# KiCad board Final H00 panelicad_pcb.kicad_pcb (continued)
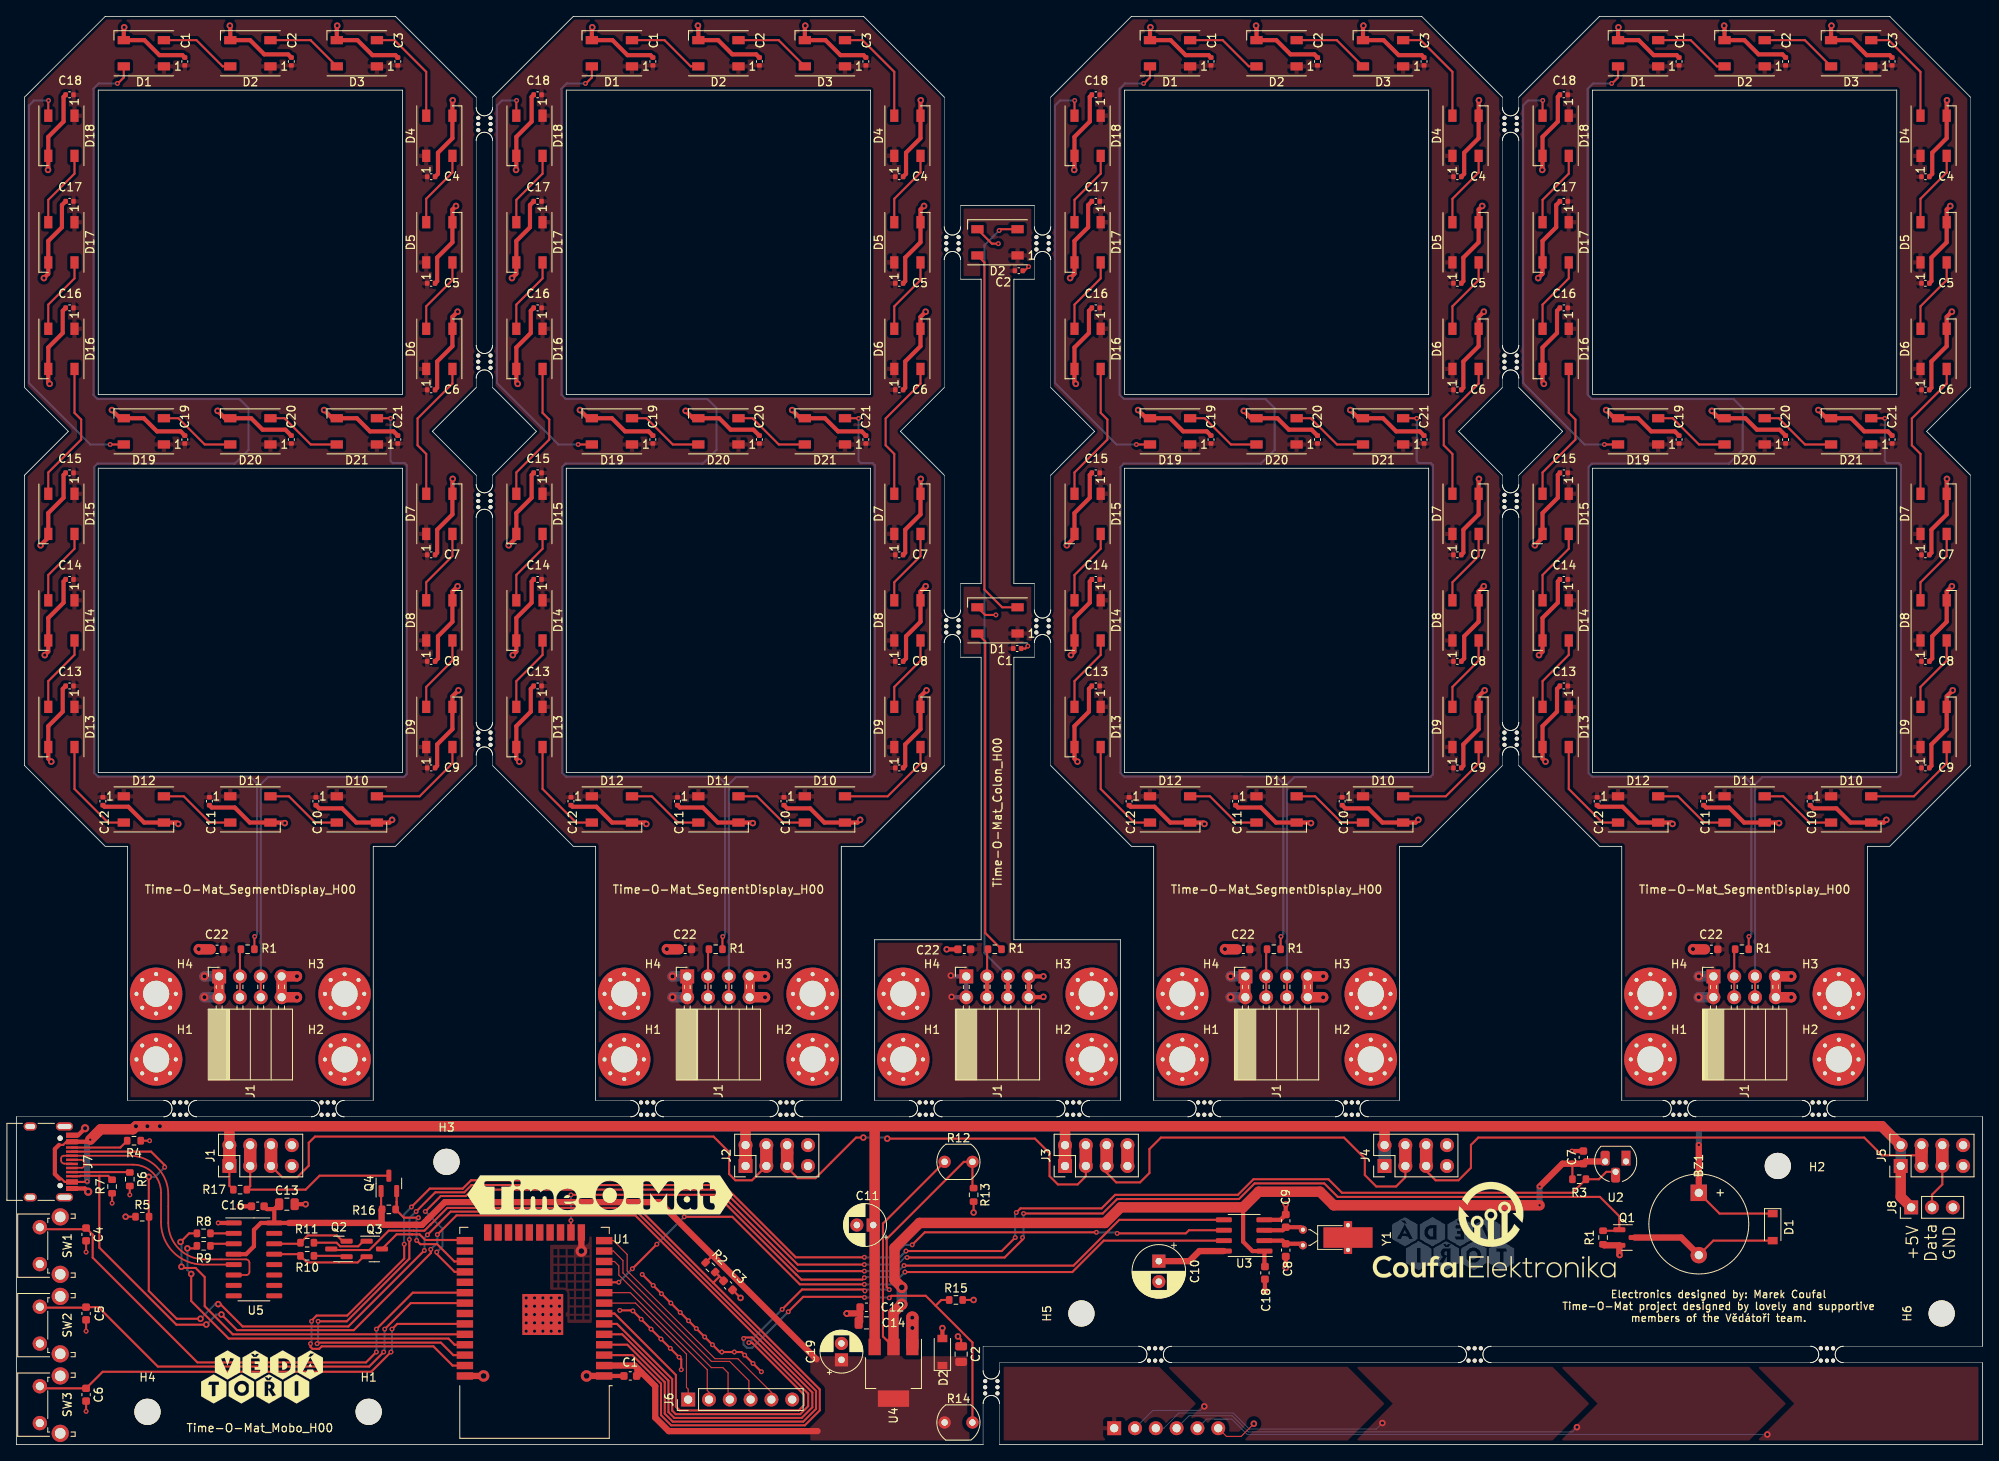
[diagram p0: board, top side]
## Routing (per net, layer and track width the routed paths; a pad name or vN(x,y) marks a point on that pad's centre or on a via; arc(x,y) is an arc through that point) (continued)
BUZZER: length 173.2
  Top w0.254: v2(103.5,21.17) 95.41,21.17 85.47,31.11 55.64,31.11 54.86,30.33 51.8,30.33 v2(49.91,28.44) ; v2(122.81,25.27) 122.81,25.01 120.63,22.83 v2(108.73,22.83) ; v2(122.94,28.2) 132.6,28.2 134.37,29.97 149.23,29.97 151.14,31.87 159.64,31.87 161.29,30.22 193.29,30.22 195.66,27.86 Q1.1 195.53,26.09 R1#3.1 ; U1.28 53.49,21.08 51.31,23.26 v2(51.31,23.49)
  Bottom w0.254: v2(122.81,25.27) 122.94,25.39 v2(122.94,28.2) ; v2(49.91,28.44) 52.01,26.35 52.01,24.19 v2(51.31,23.49) ; v2(103.5,21.17) 106.78,21.17 108.44,22.83 v2(108.73,22.83)
CC1: length 163.9
  Top w0.254: v3(16.16,32.67) 16.16,18.76 19.56,15.36 v3(22.47,15.36) ; v2(49.8,23.69) 40.53,14.42 27.61,14.42 24.89,17.14 v3(24.64,17.14) ; v2(50.17,25.59) 53.01,28.42 75.73,28.42 97.61,6.55 97.61,4.37 96.05,2.81 80.11,2.81 79.14,3.78 79.14,7.62 74.57,12.19 U1.4 ; v2(18.1,33.85) 18.1,34.09 16.44,35.75 J7.A5
  Bottom w0.254: v3(24.64,17.14) 24.26,17.14 v3(22.47,15.36) ; v2(49.8,23.69) 49.8,25.22 v2(50.17,25.59) ; v2(18.1,33.85) 16.92,32.67 v3(16.16,32.67)
CC2: length 155.9
  Top w0.254: v3(23.18,14.65) 23.16,14.63 19.53,14.63 10.12,24.03 10.12,32.8 ; R7.2 11.2,32.8 10.12,32.8 ; v2(50.58,23.83) 50.58,23.36 41.18,13.96 26.94,13.96 v3(25.02,15.88) ; 10.12,32.8 7.81,32.8 7.76,32.75 J7.B5 ; U1.5 73.94,13.46 79.59,7.81 79.59,3.97 80.3,3.26 95.86,3.26 97.16,4.55 97.16,6.36 75.54,27.97 53.73,27.97 v2(51.38,25.63)
  Bottom w0.254: v3(23.18,14.65) 24.41,15.88 v3(25.02,15.88) ; v2(51.38,25.63) 51.38,24.63 v2(50.58,23.83)
CE: length 91.6
  Top w0.254: v2(108.34,21.85) 108.35,21.84 129.03,21.84 134.62,27.43 147.38,27.43 ; v2(103.5,20.37) 103.27,20.13 95.82,20.13 95.2,20.75 95.19,20.75 85.46,30.48 v2(67.69,30.48) ; U1.16 v2(67.69,27.34)
  Bottom w0.254: v2(108.34,21.85) 106.94,20.44 103.58,20.44 v2(103.5,20.37) ; v2(67.69,27.34) v2(67.69,30.48)
IO: length 150.3
  Top w0.254: v2(36.03,15.05) 36.03,15.13 36.64,15.74 40.38,15.74 47.34,22.7 v2(47.34,24.46) ; 147.38,26.16 143.13,26.16 142.75,25.78 v2(134.37,25.78) ; U1.37 53.25,9.65 50.91,11.99 37.26,11.99 36.96,11.69 36.13,11.69 35.9,11.91 v2(35.9,12.31) ; v2(48.22,28.99) 50.46,31.24 54.48,31.24 55.5,32.25 85.72,32.25 95.12,22.86 v2(103.5,22.86) ; v2(131.83,25.9) 110.87,25.9 v2(109.35,24.38)
  Bottom w0.254: v2(109.35,24.38) 108.46,24.38 106.93,22.86 v2(103.5,22.86) ; v2(36.03,15.05) 36.03,12.44 v2(35.9,12.31) ; v2(47.34,24.46) 47.34,28.11 v2(48.22,28.99) ; v2(134.37,25.78) 134.24,25.9 v2(131.83,25.9)
LIGHT1: length 86.4
  Top w0.254: v2(103.57,18.76) 103.4,18.93 95.89,18.93 v2(93.47,16.5) ; v2(106.55,18.9) 106.23,19.22 106.23,25.09 115.64,34.5 R12.2 116.7,31.44 R13.1 ; v2(89.41,12.44) 89.79,12.44 96.14,6.09 96.14,4.82 95.49,4.17 80.98,4.17 80.5,4.65 80.5,8.5 73,16 U1.7
  Bottom w0.254: v2(103.57,18.76) 103.71,18.9 v2(106.55,18.9) ; v2(89.41,12.44) v2(93.47,16.5)
LIGHT2: length 90
  Top w0.254: v2(106.55,17.9) 106.8,18.16 111,18.16 112.2,16.95 ; R15.1 112.9,17.65 112.2,16.95 ; U1.6 73.31,14.73 80.05,7.99 80.05,4.15 80.49,3.71 95.67,3.71 96.65,4.69 96.65,6.22 89.8,13.07 88.89,13.07 v2(88.77,12.95) ; 112.2,16.95 116.7,12.45 R14.2 ; v2(103.52,17.96) 103.45,18.03 96.04,18.03 v2(94.21,16.21)
  Bottom w0.254: v2(94.21,16.21) 89.82,11.81 89.15,11.81 88.77,12.19 v2(88.77,12.95) ; v2(103.52,17.96) 106.49,17.96 v2(106.55,17.9)
SCLK: length 84.6
  Top w0.254: v2(81.52,27.8) 87.39,27.8 95.63,19.55 v2(103.51,19.55) ; U1.10 v2(73.53,19.81) ; v2(108.46,21.06) 128.89,21.06 132.72,24.89 147.38,24.89 ; v2(75.18,21.46) v2(78.18,24.45)
  Bottom w0.254: v2(73.53,19.81) v2(75.18,21.46) ; v2(78.18,24.45) v2(81.52,27.8) ; v2(103.51,19.55) 106.96,19.55 v2(108.46,21.06)
TEMPERATURE: length 201.4
  Top w0.254: v2(36.83,15.05) 40.32,15.05 47.96,22.69 v2(47.96,25.03) ; v2(103.5,21.97) 95.37,21.97 85.66,31.67 55.56,31.67 54.67,30.78 51.14,30.78 v2(48.79,28.44) ; U1.36 53.34,10.92 51.82,12.44 36.83,12.44 v2(36.7,12.31) ; v2(122.05,28.32) 122.56,28.82 132.46,28.82 134.11,30.48 149.1,30.48 151,32.38 160.15,32.38 161.8,30.73 189.93,30.73 191.58,32.38 193.17,32.38 194.07,33.28 195.2,33.28 ; v2(121.92,25.27) 120.27,23.62 v2(108.58,23.62)
  Bottom w0.254: v2(122.05,28.32) 121.92,28.19 v2(121.92,25.27) ; v2(48.79,28.44) 47.96,27.61 v2(47.96,25.03) ; v2(36.7,12.31) 36.83,12.44 v2(36.83,15.05) ; v2(108.58,23.62) 106.93,21.97 v2(103.5,21.97)
TOUCH5: length 102.6
  Top w0.127: U1.14 72.87,24.89 74.55,23.21 74.55,21.2 85.27,10.48 88.07,10.48 92.16,6.39 J6.5
  Bottom w0.127: 147.89,3.11 145.27,3.11 J1#7.5 ; v3(213.73,1.24) 150.23,1.24 148.35,3.11 146.24,3.11
TOUCH6: length 78
  Top w0.127: J6.4 89.62,6.39 89.41,6.6 89.41,7.8 87.05,10.16 84.84,10.16 74.04,20.95 74.04,22.45 72.87,23.62 U1.13
  Bottom w0.127: J1#7.4 143.14,3.52 148.4,3.52 150.36,1.56 189.92,1.56 v3(190.49,2.13)
TOUCH7: length 54.3
  Top w0.127: U1.12 73,22.35 73.53,21.81 73.53,20.7 84.84,9.39 86.23,9.39 86.87,8.76 86.87,5.71 J6.3
  Bottom w0.127: J1#7.3 140.05,2 141.9,3.85 148.54,3.85 150.5,1.89 165.99,1.89 v3(166.74,2.63)
TOUCH8: length 29.8
  Top w0.127: J6.2 84.54,6.39 84.33,6.6 84.33,9.14 74.93,18.54 71.75,18.54
  Bottom w0.127: J1#7.2 138.72,4.18 144.51,4.18 v3(145,4.67)
TOUCH9: length 18.3
  Top w0.127: J6.1 82,6.77 81.79,6.98 81.79,11.04 75.56,17.27 U1.8
WS2812: length 23.6
  Top w0.254: Q4.3 37.01,32.81 35.31,31.11 R17.2 28.54,31.52 J1.3
  Top w1.524: J1.4 J1.3
Net-(BZ1-Pad2): length 18.5
  Top w0.254: D1#6.2 207.13,24.89 BZ1.2
  Top w0.762: BZ1.2 203.21,25.27 Q1.3
Net-(C8-Pad1): length 4.9
  Top w0.508: U3.2 154.56,24.89 C8#3.1 156.85,24.51 Y1.1
Net-(C9-Pad1): length 5
  Top w0.508: U3.3 154.57,26.16 C9#5.1 156.73,26.52 Y1.2
Net-(C10-Pad1): length 8.4
  Top w0.762: C10#5.1 143.17,22.39 144.4,23.62 147.38,23.62
Net-(D1-Pad2): length 83.8
  Top w0.254: D1#5.2 147.24,171.36 150.44,168.16 D2.4 ; D1#4.2 21.98,171.36 25.18,168.16 D2#2.4 ; D2#5.4 118.16,144.25 118.16,104.33 120.32,102.17 D1.2 ; D1#2.2 79.11,171.36 82.31,168.16 D2#4.4 ; D1#3.2 204.37,171.36 207.57,168.16 D2#6.4
Net-(D1-Pad4): length 701.6
  Top w0.254: D1#2.4 70.24,166.8 69.52,166.08 v2(69.46,166.08) ; R1#2.2 29.05,61.96 v2(29.09,61.99) ; v2(12.33,166.08) 12.39,166.08 13.11,166.8 D1#4.4 ; R1#5.2 211.44,61.96 v2(211.48,61.99) ; v2(137.59,166.08) 137.65,166.08 138.37,166.8 D1#5.4 ; D1.4 118.26,98.02 118.26,62.43 120.25,60.44 R1#6.2 ; D1#3.4 195.5,166.8 194.78,166.08 v2(194.72,166.08) ; R1.2 86.19,61.96 v2(86.22,61.99) ; R1#4.2 154.31,61.96 v2(154.35,61.99)
  Bottom w0.254: v2(12.33,166.08) 10.05,166.08 9.4,165.43 9.4,128.1 9.93,127.57 27.22,127.57 28.33,126.46 28.33,121.37 26.66,119.7 9.92,119.7 9.51,119.29 9.51,81.95 9.96,81.5 28.56,81.5 29.38,80.68 29.38,62.28 v2(29.09,61.99) ; v2(211.48,61.99) 211.77,62.28 211.77,80.68 210.95,81.5 192.35,81.5 191.9,81.95 191.9,119.29 192.31,119.7 209.05,119.7 210.72,121.37 210.72,126.46 209.61,127.57 192.32,127.57 191.79,128.1 191.79,165.43 192.44,166.08 v2(194.72,166.08) ; v2(154.35,61.99) 154.63,62.28 154.63,80.68 153.82,81.5 135.22,81.5 134.77,81.95 134.77,119.29 135.18,119.7 151.92,119.7 153.59,121.37 153.59,126.46 152.48,127.57 135.19,127.57 134.66,128.1 134.66,165.43 135.31,166.08 v2(137.59,166.08) ; v2(69.46,166.08) 67.18,166.08 66.53,165.43 66.53,128.1 67.06,127.57 84.35,127.57 85.46,126.46 85.46,121.37 83.79,119.7 67.05,119.7 66.64,119.29 66.64,81.95 67.09,81.5 85.69,81.5 86.51,80.68 86.51,62.28 v2(86.22,61.99)
Net-(D2-Pad2): length 135.5
  Top w0.254: D2#4.2 93.02,171.36 93.03,171.37 D3#4.4 ; D3.4 161.16,171.37 161.15,171.36 D2.2 ; D2#2.2 35.89,171.36 35.9,171.37 D3#3.4 ; D3#2.4 218.29,171.37 218.28,171.36 D2#6.2 ; v2(119.96,148.13) 120.12,148.3 D2#5.2
  Top w0.508: J1#5.5 J1#5.6
  Bottom w0.254: J1#5.5 118.16,60 118.16,146.33 v2(119.96,148.13)
Net-(D3-Pad2): length 51.9
  Top w0.254: D4#4.4 175.28,167.5 171.42,171.36 D3.2 ; D4#2.4 107.16,167.5 103.29,171.36 D3#4.2 ; D3#2.2 228.55,171.36 232.42,167.5 D4.4 ; D4#3.4 50.02,167.5 46.16,171.36 D3#3.2
Net-(D4-Pad2): length 37.7
  Top w0.254: D4#2.2 110.36,155.21 107.16,152.01 D5#4.4 ; D5.4 232.42,152.01 235.62,155.21 D4.2 ; D5#3.4 50.02,152.01 53.22,155.21 D4#3.2 ; D5#2.4 175.28,152.01 178.48,155.21 D4#4.2
Net-(D5-Pad2): length 37.7
  Top w0.254: D6.4 107.16,138.89 110.36,142.09 D5#4.2 ; D5.2 235.62,142.09 232.42,138.89 D6#2.4 ; D6#3.4 50.02,138.89 53.22,142.09 D5#3.2 ; D5#2.2 178.48,142.09 175.28,138.89 D6#4.4
Net-(D6-Pad2): length 69.7
  Top w0.254: D6#3.2 53.22,129.46 48.97,125.2 48.97,121.93 50.02,120.88 D7#2.4 ; D7#4.4 232.42,120.88 231.36,121.93 231.36,125.2 235.62,129.46 D6#2.2 ; D6#4.2 178.48,129.46 174.23,125.2 174.23,121.93 175.28,120.88 D7.4 ; D7#3.4 107.16,120.88 106.1,121.93 106.1,125.2 110.36,129.46 D6.2
Net-(D7-Pad2): length 37.7
  Top w0.254: D7.2 178.48,108.42 175.28,105.22 D8.4 ; D7#3.2 110.36,108.42 107.16,105.22 D8#3.4 ; D7#2.2 53.22,108.42 50.02,105.22 D8#2.4 ; D8#4.4 232.42,105.22 235.62,108.42 D7#4.2
Net-(D8-Pad2): length 37.7
  Top w0.254: D8#2.2 53.22,95.65 50.02,92.45 D9.4 ; D8.2 178.48,95.65 175.28,92.45 D9#4.4 ; D8#4.2 235.62,95.65 232.42,92.45 D9#3.4 ; D8#3.2 110.36,95.65 107.16,92.45 D9#2.4
Net-(D10-Pad2): length 37.7
  Top w0.254: D11#4.4 215.66,79.1 218.86,75.9 D10.2 ; D11#2.4 158.53,79.1 161.73,75.9 D10#4.2 ; D10#3.2 93.6,75.9 90.4,79.1 D11.4 ; D11#3.4 33.27,79.1 36.47,75.9 D10#2.2
Net-(D10-Pad4): length 51.5
  Top w0.254: D10.4 231.61,79.1 235.62,83.11 D9#3.2 ; D10#3.4 106.35,79.1 110.36,83.11 D9#2.2 ; D10#4.4 174.48,79.1 178.48,83.11 D9#4.2 ; D9.2 53.22,83.11 49.22,79.1 D10#2.4
Net-(D11-Pad2): length 37.7
  Top w0.254: D12#4.4 202.82,79.1 206.02,75.9 D11#4.2 ; D12#2.4 77.56,79.1 80.76,75.9 D11.2 ; D11#3.2 23.63,75.9 20.43,79.1 D12#3.4 ; D12.4 145.69,79.1 148.89,75.9 D11#2.2
Net-(D12-Pad2): length 51.3
  Top w0.254: D12#4.2 193.58,75.9 189.48,80 D13.4 ; D12#3.2 11.19,75.9 7.09,80 D13#4.4 ; D13#3.4 132.35,80 136.45,75.9 D12.2 ; D13#2.4 64.22,80 68.32,75.9 D12#2.2
Net-(D13-Pad2): length 37.7
  Top w0.254: D13#2.2 61.02,93.16 64.22,96.36 D14#3.4 ; 3.89,90.02 3.89,93.16 7.09,96.36 D14#4.4 ; D13#3.2 129.15,93.16 132.35,96.36 D14#2.4 ; D13.2 186.28,93.16 189.48,96.36 D14.4
Net-(D14-Pad2): length 37.7
  Top w0.254: D14#3.2 61.02,106.11 64.22,109.31 D15.4 ; D15#2.4 189.48,109.31 186.28,106.11 D14.2 ; D15#3.4 7.09,109.31 3.89,106.11 3.89,103.02 ; D15#4.4 132.35,109.31 129.15,106.11 D14#2.2
Net-(D15-Pad2): length 68.9
  Top w0.254: D16#2.4 64.22,125.89 65.04,125.07 65.04,122.63 61.02,118.62 D15.2 ; D15#2.2 186.28,118.62 190.3,122.63 190.3,125.07 189.48,125.89 D16#3.4 ; 3.89,116.02 3.89,118.62 7.91,122.63 7.91,125.07 7.09,125.89 D16.4 ; D15#4.2 129.15,118.62 133.17,122.63 133.17,125.07 132.35,125.89 D16#4.4
Net-(D16-Pad2): length 37.7
  Top w0.254: D17#3.4 132.35,142.3 129.15,139.1 D16#4.2 ; D17#4.4 7.09,142.3 3.89,139.1 3.89,136.15 ; D17#2.4 64.22,142.3 61.02,139.1 D16#2.2 ; D17.4 189.48,142.3 186.28,139.1 D16#3.2
Net-(D17-Pad2): length 37.7
  Top w0.254: 3.89,149.15 3.89,151.88 7.09,155.08 D18#3.4 ; D17#2.2 61.02,151.88 64.22,155.08 D18#2.4 ; D17.2 186.28,151.88 189.48,155.08 D18.4 ; D17#3.2 129.15,151.88 132.35,155.08 D18#4.4
Net-(D18-Pad2): length 212.3
  Top w0.254: D19#2.4 v2(193.84,122.03) ; v2(186.31,164) 186.28,163.98 D18.2 ; D18#4.2 129.15,163.98 v2(129.18,164) ; D19#4.4 v2(68.58,122.03) ; v2(61.05,164) 61.02,163.98 D18#2.2 ; v2(3.92,164) 3.89,163.98 3.89,162.15 ; D19#3.4 v2(136.71,122.03) ; D19.4 v2(11.45,122.03)
  Bottom w0.254: v2(186.31,164) 184.52,164 183.92,163.4 183.92,129.52 191.41,122.03 v2(193.84,122.03) ; v2(129.18,164) 127.39,164 126.79,163.4 126.79,129.52 134.28,122.03 v2(136.71,122.03) ; v2(11.45,122.03) 9.02,122.03 1.53,129.52 1.53,163.4 2.13,164 v2(3.92,164) ; v2(61.05,164) 59.26,164 58.66,163.4 58.66,129.52 66.15,122.03 v2(68.58,122.03)
Net-(D19-Pad2): length 37.7
  Top w0.254: D20.4 205.38,122.03 202.18,125.23 D19#2.2 ; D20#3.4 80.12,122.03 76.92,125.23 D19#4.2 ; D20#2.4 22.99,122.03 19.79,125.23 D19.2 ; D19#3.2 145.05,125.23 148.25,122.03 D20#4.4
Net-(D20-Pad2): length 37.7
  Top w0.254: D20#3.2 89.86,125.23 93.06,122.03 D21.4 ; D20#4.2 157.99,125.23 161.19,122.03 D21#3.4 ; D21#2.4 218.32,122.03 215.12,125.23 D20.2 ; D21#4.4 35.93,122.03 32.73,125.23 D20#2.2
Net-(D21-Pad2): length 364.3
  Top w0.254: D21#3.2 170.91,125.23 v2(170.93,125.21) ; v2(102.8,125.21) 102.78,125.23 D21.2 ; v2(45.67,125.21) 45.65,125.23 D21#4.2 ; J1#3.5 J1#3.6 ; J1#2.5 J1#2.6 ; D21#2.2 228.04,125.23 v2(228.06,125.21) ; J1#6.5 J1#6.6 ; J1#4.5 J1#4.6
  Bottom w0.254: J1#3.5 212.22,80.56 213.11,81.45 229.7,81.45 230.04,81.79 230.04,119.5 229.79,119.75 228.32,119.75 228.06,120.01 v2(228.06,125.21) ; J1#4.5 29.83,80.56 30.72,81.45 47.31,81.45 47.65,81.79 47.65,119.5 47.4,119.75 45.93,119.75 45.67,120.01 v2(45.67,125.21) ; v2(102.8,125.21) 102.8,120.01 103.06,119.75 104.53,119.75 104.78,119.5 104.78,81.79 104.44,81.45 87.85,81.45 86.96,80.56 J1#2.5 ; v2(170.93,125.21) 170.93,120.01 171.19,119.75 172.66,119.75 172.91,119.5 172.91,81.79 172.57,81.45 155.98,81.45 155.09,80.56 J1#6.5
Net-(J1-Pad3): length 29.5
  Top w0.254: J1#6.4 J1#6.3 152.55,60.33 R1#4.1 ; R1#5.1 209.68,60.33 J1#3.3 J1#3.4 ; J1#4.4 J1#4.3 27.29,60.33 R1#2.1 ; R1#6.1 118.49,60.33 J1#5.3 ; R1.1 84.42,60.33 J1#2.3 J1#2.4
  Top w0.508: J1#5.3 J1#5.4
Net-(J1-Pad5): length 74.3
  Top w0.254: J1.5 32.45,32.63 34.29,32.63 35.69,34.03 35.69,36.83 36.45,37.59 85.09,37.59 87,35.68 87,33.02 87.76,32.25 89.79,32.25 J2.3
  Top w1.524: J2.4 J2.3 ; J1.6 J1.5
Net-(J2-Pad5): length 51.6
  Top w0.254: 94.08,35.58 94.3,35.36 94.3,33.59 95.38,32.51 97.54,32.51 102.49,37.46 v3(103.38,37.46) ; J3.3 130.54,32.74 129.54,31.74 127.13,31.74 126.11,32.76 126.11,35.55 124.33,37.33 v3(106.3,37.33)
  Top w1.524: J2.6 J2.5 ; J3.4 J3.3
  Bottom w0.254: v3(106.3,37.33) 106.17,37.46 v3(103.38,37.46)
Net-(J3-Pad5): length 52.3
  Top w0.254: J3.5 133.08,33.16 134.24,32 137.16,32 138.3,33.14 138.3,36.06 139.7,37.46 162.05,37.46 164.59,34.92 164.59,32.89 165.99,31.49 168.4,31.49 169.54,32.63 J4.3
  Top w1.524: J4.4 J4.3 ; J3.6 J3.5
Net-(J4-Pad5): length 71.5
  Top w0.254: J4.5 172.08,33.4 173.23,32.25 176.02,32.25 177.55,33.78 177.55,36.57 178.44,37.46 225.55,37.46 227.71,35.3 232.03,35.3 232.54,35.81
  Top w1.524: J5.3 J5.4 ; J4.6 J4.5
Net-(J5-Pad5): length 8.1
  Top w0.254: J8.2 233.82,30.49 235.08,31.75 J5.5
  Top w1.524: J5.6 J5.5
Net-(J7-PadA8): length 7.1
  Top w0.254: R6.1 13.8,33.25 J7.A8
Net-(J7-PadB8): length 7.1
  Top w0.254: R4.1 12.69,36.24 6.79,36.24 J7.B8
Net-(Q2-Pad1): length 4
  Top w0.254: Q2.1 40.2,23.03 36.32,23.03
Net-(Q2-Pad2): length 9.5
  Top w0.254: Q2.2 39.82,24.82 39.12,25.52 35.56,25.52 R11.2 34.54,24.51 U5.14
Net-(Q3-Pad1): length 6.9
  Top w0.254: 36.32,24.63 39.08,24.63 39.52,24.19 41.73,24.19 42.35,24.82 Q3.1
Net-(Q3-Pad2): length 12
  Top w0.254: Q3.2 42.36,22.92 41.67,22.23 35.47,22.23 R10.2 34.47,23.23 U5.13
Net-(Q4-Pad2): length 16.2
  Top w0.254: v2(49.07,27.69) 47.3,27.69 46.42,28.57 46.42,29.65 ; v2(48.86,24.91) 49.31,24.45 51.36,24.45 53.46,22.35 U1.27 ; 46.42,29.65 Q4.2 ; 46.42,29.65 46.42,28.82 R16.2
  Bottom w0.254: v2(49.07,27.69) 48.86,27.48 v2(48.86,24.91)
Net-(R8-Pad2): length 2.8
  Top w0.254: R8.2 23.69,25.77 U5.2
Net-(R9-Pad2): length 2.9
  Top w0.254: U5.3 23.94,24.51 R9.2

## Copper pours and planes (outline as drawn; the poured copper is in the pictures)
+3V3 on Top: 107.82,10.79 116.33,10.79 116.33,0.38 96.9,0.38 96.9,10.79 106.3,10.79 106.3,12.95 107.82,12.95
+5V on Top: 58.56,36.63 -0.44,36.63 -0.44,175.63 58.56,175.63
+5V on Top: 115.69,36.63 56.69,36.63 56.69,175.63 115.69,175.63
+5V on Top: 149.76,36.63 90.76,36.63 90.76,175.63 149.76,175.63
+5V on Top: 240.95,36.63 181.95,36.63 181.95,175.63 240.95,175.63
+5V on Top: 183.82,36.63 124.82,36.63 124.82,175.63 183.82,175.63
GND on Top, Bottom: 73.15,14.85 67.06,14.85 67.06,18.66 65.15,18.66 65.15,25.39 73.15,25.39
GND on Bottom: 240.95,36.63 181.95,36.63 181.95,175.63 240.95,175.63
GND on Bottom: 115.69,36.63 56.69,36.63 56.69,175.63 115.69,175.63
GND on Bottom: 85.85,11.43 88.65,11.43 92.2,7.87 80.26,7.87 80.26,11.17 75.06,16.38 73.53,16.38 73.53,20.82 76.45,20.82
GND on Bottom: 183.82,36.63 124.82,36.63 124.82,175.63 183.82,175.63
GND on Bottom: 58.56,36.63 -0.44,36.63 -0.44,175.63 58.56,175.63
GND on Bottom: 240,0 0,0 0,40 240,40
GND on Bottom: 240,0 120,0 120,10 240,10
GND on Bottom: 149.76,36.63 90.76,36.63 90.76,175.63 149.76,175.63
TOUCH5 on Top: 240,0 212,0 217,5 212,10 240,10
TOUCH6 on Top: 216,5 211,0 188,0 193,5 188,10 211,10
TOUCH7 on Top: 192,5 187,0 163,0 168,5 163,10 187,10
TOUCH8 on Top: 167,5 162,0 140,0 145,5 140,10 162,10
TOUCH9 on Top: 144,5 139,0 120,0 120,10 139,10

## Text on the board
B.Silkscreen: {dblquote}The ultimate solution to time telling...{dblquote}
F.Silkscreen: Electronics designed by: Marek Coufal / Time-O-Mat project designed by lovely and supportive / members of the Vědátoři team. | Time-O-Mat_SegmentDisplay_H00 | Time-O-Mat_Mobo_H00 | Time-O-Mat_Colon_H00 | +5V / Data / GND
